# KiCad board q2.kicad_pcb (continued)
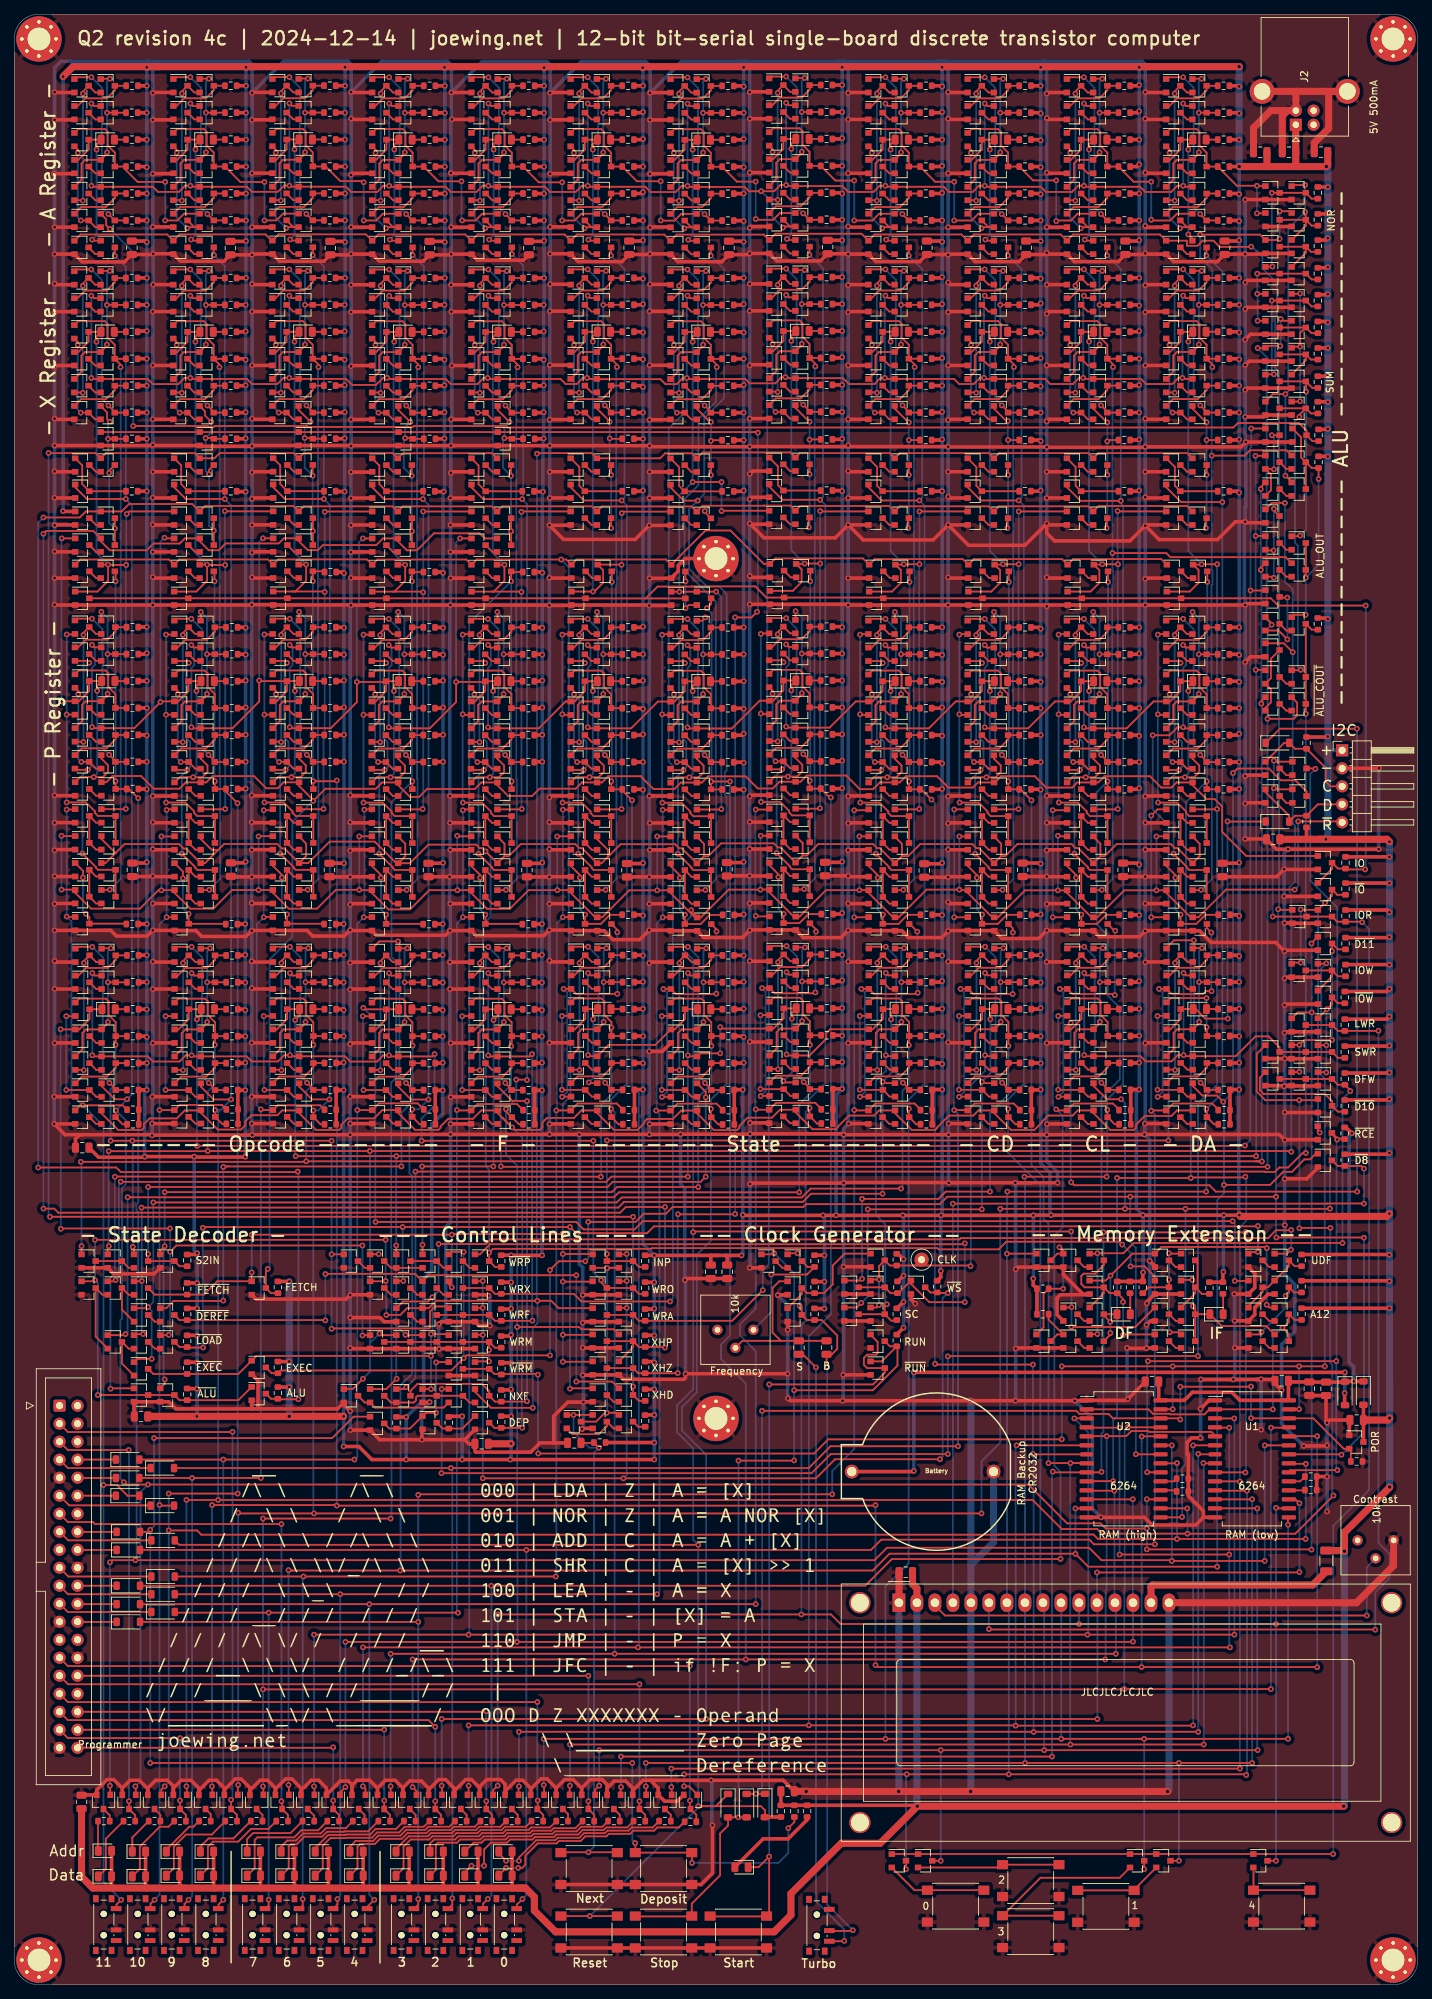
[diagram p0: board, top side]
## Routing (per net, layer and track width the routed paths; a pad name or vN(x,y) marks a point on that pad's centre or on a via; arc(x,y) is an arc through that point) (continued)
WRF: length 70.9
  Top w0.25: Q701.3 Q702.3 Q703.3 67.83,93.67 R317.2 73.08,93.67 v1(73.1,93.7) ; v1(66.87,142.72) 67.22,142.37 Q344.1 ; v1(66.87,131.12) 67.02,130.97 Q345.1 72.73,130.97 v1(73.07,131.3)
  Bottom w0.25: v1(66.87,142.72) v1(66.87,131.12) ; v1(73.1,93.7) 73.07,93.73 v1(73.07,131.3)
WRO: length 168.2
  Top w0.25: v1(11.02,142.73) 11.37,142.38 Q64.1 ; v1(11.02,131.13) 11.17,130.98 Q65.1 18.85,130.98 19.57,130.25 23.34,130.25 24.21,131.12 v1(25.02,131.12) 25.17,130.97 Q135.1 32.8,130.97 33.51,130.26 37.21,130.26 38.08,131.13 v1(38.89,131.13) 39.05,130.98 Q205.1 46.67,130.98 47.41,130.24 51.18,130.24 52.06,131.12 v1(52.87,131.12) 53.02,130.97 Q275.1 58.97,130.97 v1(59.3,131.3) ; R323.2 88.12,97.47 Q716.3 Q715.3 82.8,99.1 v1(82.8,99.4) ; v1(25.02,142.72) 25.38,142.37 Q134.1 ; v1(38.89,142.73) 39.24,142.38 Q204.1 ; v1(52.87,142.72) 53.22,142.37 Q274.1 ; 57.91,119.07 v1(57.46,119.07) ; 57.91,119.07 57.65,119.07 ; 57.91,119.07 v1(81.7,119.07)
  Bottom w0.25: v1(11.02,142.73) v1(11.02,131.13) ; v1(25.02,142.72) v1(25.02,131.12) ; v1(38.89,142.73) v1(38.89,131.13) ; v1(52.87,142.72) v1(52.87,131.12) ; v1(81.7,119.07) 81.7,100.5 v1(82.8,99.4) ; 57.45,119.82 57.45,122.2 59.3,124.05 v1(59.3,131.3) ; 57.45,119.82 57.46,119.81 v1(57.46,119.07) ; 57.45,119.82 57.45,119.27
WRX: length 483.8
  Top w0.25: v1(10.88,238.29) 11.23,237.94 Q31.1 ; v1(10.88,226.69) 11.03,226.54 Q32.1 18.84,226.54 19.56,225.81 23.15,225.81 24.03,226.69 v1(24.84,226.69) 24.99,226.54 Q102.1 32.84,226.54 33.55,225.82 37.02,225.82 ; v1(24.84,238.29) 25.19,237.94 Q101.1 ; Q690.3 Q691.3 67.83,97.47 R315.2 78.95,97.47 80.03,96.4 v1(92.52,96.4) ; Q311.1 67.24,237.93 v1(66.89,238.28) ; Q241.1 53.24,237.93 v1(52.89,238.28) ; 37.12,225.82 38,226.7 v1(38.81,226.7) 38.96,226.55 Q172.1 46.81,226.55 47.65,225.7 51.03,225.7 52.03,226.7 v1(52.6,226.7) 52.77,226.53 Q242.1 ; Q171.1 39.16,237.95 v1(38.81,238.3) ; v1(80.9,238.3) 81.25,237.95 Q952.1 ; v1(94.98,238.28) 95.33,237.93 Q884.1 ; v1(108.9,238.4) 109.25,238.05 Q401.1 ; v1(122.9,238.3) 123.25,237.95 Q469.1 ; v1(136.9,238.3) 137.25,237.95 Q806.1 ; v1(150.9,238.3) 151.25,237.95 Q537.1 ; v1(164.9,238.3) 165.25,237.95 Q605.1 ; Q606.1 164.95,226.55 v1(164.8,226.7) 164.23,226.7 163.36,225.82 159.65,225.82 158.92,226.55 Q538.1 150.95,226.55 v1(150.8,226.7) 150.23,226.7 149.36,225.82 146.15,225.82 145.42,226.55 Q807.1 136.95,226.55 v1(136.8,226.7) 136.23,226.7 135.36,225.82 133.3,225.82 132.58,226.55 123.65,226.55 ; Q242.1 53.04,226.53 ; Q242.1 60.88,226.53 61.61,225.8 65.35,225.8 66.22,226.68 v1(66.79,226.68) 66.94,226.53 Q312.1 77.08,226.53 77.79,225.82 79.36,225.82 80.23,226.7 v1(80.8,226.7) 80.95,226.55 Q953.1 82.24,226.51 91.16,226.51 91.87,225.8 93.44,225.8 94.31,226.68 v1(94.88,226.68) 95.03,226.53 Q885.1 103.14,226.53 103.75,225.92 107.36,225.92 108.23,226.8 v1(108.8,226.8) 108.95,226.65 Q402.1 116.92,226.65 117.75,225.82 121.36,225.82 122.23,226.7 v1(122.8,226.7) 122.95,226.55 123.65,226.55 ; Q470.1 123.65,226.55
  Bottom w0.25: v1(10.88,238.29) v1(10.88,226.69) ; v1(24.84,238.29) v1(24.84,226.69) ; v1(38.81,238.3) v1(38.81,226.7) ; v1(80.9,238.3) 80.8,238.2 v1(80.8,226.7) ; v1(94.98,238.28) 94.88,238.18 v1(94.88,226.68) 94.88,222.11 92.33,219.56 92.33,172.56 92.91,171.98 92.91,96.78 v1(92.52,96.4) ; v1(108.9,238.4) 108.8,238.3 v1(108.8,226.8) ; v1(122.9,238.3) 122.8,238.2 v1(122.8,226.7) ; v1(136.9,238.3) 136.8,238.2 v1(136.8,226.7) ; v1(150.9,238.3) 150.8,238.2 v1(150.8,226.7) ; v1(164.9,238.3) 164.8,238.2 v1(164.8,226.7) ; v1(66.79,226.68) 66.79,238.18 v1(66.89,238.28) ; v1(52.6,226.7) 52.6,237.99 v1(52.89,238.28)
WS: length 95.7
  Top w0.25: v1(134.1,96.3) 129.09,96.3 126.5,98.89 Q674.1 124.73,97.57 R277.2 123.62,97.57 Q631.3 Q632.3 ; v1(134.1,104.6) 133.97,104.47 67.12,104.47 65.7,103.05 Q709.1
  Bottom w0.25: v1(134.1,104.6) v1(134.1,96.3)
X0: length 137.8
  Top w0.25: v1(178.5,250.2) 179.95,250.2 Q728.1 ; v1(178.5,246.3) 178.35,246.15 Q731.1 175.75,246.9 v1(167.3,246.9) ; R260.2 Q602.3 ; Q602.3 168.2,231.37 167.2,232.37 167.2,234.3 166.8,234.7 163.05,234.7 Q607.1 ; Q602.3 169.02,228.58 v1(169.02,228.21) ; v1(167.43,154.47) 167.38,154.42 Q574.1 ; Q740.1 179.47,216.48 174.32,216.48 173.57,215.72 v1(168.93,215.72)
  Bottom w0.25: v1(178.5,246.3) v1(178.5,250.2) ; v1(167.43,154.47) 168.95,156 168.95,170.12 168.89,170.18 168.89,197.42 169.03,197.55 169.03,199.47 168.93,199.57 v1(168.93,215.72) 168.93,228.12 v1(169.02,228.21) 169.02,242.04 167.3,243.75 v1(167.3,246.9)
X1: length 115.1
  Top w0.25: R230.2 Q534.3 ; Q534.3 154.2,231.37 153.2,232.37 153.2,234.3 152.8,234.7 149.05,234.7 Q539.1 ; Q534.3 155.02,228.58 v1(155.02,228.21) ; v1(153.43,154.47) 153.38,154.42 Q506.1 ; v1(154.93,201.97) 162.53,201.97 163.1,201.4 179.35,201.4 Q743.1
  Bottom w0.25: v1(153.43,154.47) 154.95,156 154.95,170.12 154.89,170.18 154.89,197.42 155.03,197.55 155.03,199.47 154.93,199.57 v1(154.93,201.97) 154.93,228.12 v1(155.02,228.21)
XHIN_DBUS: length 283.2
  Top w0.25: R313.2 88.12,82.37 Q688.3 v1(87.3,84.4) ; 39.4,216.09 Q160.1 40.86,216.09 53.36,216.09 Q230.1 54.83,216.07 67.38,216.07 Q300.1 ; v1(87.3,108.35) v1(5.05,108.35) ; 39.3,216.09 28.99,216.09 28.25,215.35 Q90.1 25.43,216.08 12.93,216.08 Q20.1 11.47,216.08 4.87,216.08 v1(4.85,216.1)
  Bottom w0.25: v1(4.85,216.1) 4.85,108.55 v1(5.05,108.35) ; v1(87.3,84.4) v1(87.3,108.35)
XHIN_P: length 287.1
  Top w0.25: Q673.3 87.3,89.95 Q685.1 ; Q673.3 Q672.3 ; Q673.3 88.12,89.97 R306.2 91.73,89.97 v1(91.8,89.9) ; 37.32,203.33 38.04,204.06 Q158.1 40.13,203.67 41.42,202.38 42.84,202.38 43.56,203.1 51.08,203.1 52.02,204.04 Q228.1 54.11,203.66 55.4,202.37 56.82,202.37 59.22,204.77 65.66,204.77 66.38,204.04 Q298.1 ; v1(4.12,204.7) 4.52,205.1 11.15,205.1 Q18.1 12.2,203.66 13.49,202.37 18.7,202.37 19.65,203.32 23.35,203.32 24.07,204.05 Q88.1 26.16,203.66 27.45,202.37 28.87,202.37 29.83,203.33 37.22,203.33 ; v1(4.12,109.5) 5.65,109.5 6.22,108.92 85.48,108.92 86.27,109.72 v1(91.8,109.72)
  Bottom w0.25: v1(4.12,109.5) v1(4.12,204.7) ; v1(91.8,89.9) v1(91.8,109.72)
XHIN_ZERO: length 245.8
  Top w0.25: Q684.3 Q685.3 88.02,86.27 R310.2 93.58,86.27 v1(93.6,86.3) ; 68.11,219.04 54.35,219.04 ; 53.91,219.04 40.15,219.04 Q157.1 40.12,219.05 ; 54.3,219.03 54.31,219.04 ; 40.02,219.05 Q87.1 Q17.1 ; v1(93.63,108.7) 101.65,108.7 v1(101.7,108.75) ; v1(104.9,218.97) 104.83,219.04 Q297.1 ; v1(104.8,193.7) 104,192.9 v1(101.7,192.9)
  Bottom w0.25: v1(104.9,218.97) 104.9,193.8 v1(104.8,193.7) ; v1(93.63,108.7) 93.6,108.67 v1(93.6,86.3) ; v1(101.7,108.75) v1(101.7,192.9)
~{ALU_COUT}: length 235.9
  Top w0.25: v1(182.2,179.3) Q739.3 Q738.3 Q737.3 183.02,191.17 183.9,191.17 ; v1(56.6,114.72) 82.4,114.72 82.4,114.73 176.4,114.73 176.45,114.67 177.83,114.67 178.45,115.3 179.7,115.3 181.76,117.36 v1(182.2,117.36) ; Q677.1 55.05,84.05 v1(55.3,84.3)
  Bottom w0.25: v1(55.3,84.3) 56.6,85.6 v1(56.6,114.72) ; v1(182.2,179.3) v1(182.2,117.36)
~{CDIV}: length 68.9
  Top w0.25: Q815.1 135.1,134.8 136.55,136.25 Q819.3 D58.1 137.7,137.04 v1(137.7,136.2) ; v1(136.5,127.4) 136.7,127.2 Q822.1 ; Q630.1 118.85,95.55 v1(119.5,96.2) ; v1(120.4,109.4) v1(136.5,109.4)
  Bottom w0.25: v1(137.7,136.2) 137.7,128.6 v1(136.5,127.4) v1(136.5,109.4) ; v1(119.5,96.2) 120.4,97.1 v1(120.4,109.4)
~{DEP_SW}: length 189.2
  Top w0.25: v1(19.73,77.12) 44.85,77.12 47.88,80.15 Q706.1 ; R464.2 110.05,22.95 v1(109.2,22.1) ; v1(87.6,20) 87.62,19.98 SW23.1 SW23.1 95.6,18.63 v1(95.6,17.2) ; v1(87.2,31.3) v1(19.2,31.3) ; D50.2 18.9,63.9 v1(19.2,64.2)
  Bottom w0.25: v1(95.6,17.2) 107.8,17.2 109.2,18.6 v1(109.2,22.1) ; v1(87.2,31.3) 87.2,20.4 v1(87.6,20) ; v1(19.2,31.3) v1(19.2,64.2) 19.73,64.73 v1(19.73,77.12)
~{DEREF}: length 172.3
  Top w0.25: D16.1 Q276.3 ; Q276.3 52.47,136.22 51.02,134.77 Q272.1 ; Q276.3 49.46,137.62 v1(49.25,137.82) ; v1(172.18,99.3) 174.05,99.3 Q995.1 ; v1(50.97,107.62) 79.27,107.62 80.33,106.57 87.52,106.57 88.69,107.74 ; v1(171.88,107.72) 88.7,107.72
  Bottom w0.25: v1(172.18,99.3) 172.18,107.42 v1(171.88,107.72) ; v1(50.97,107.62) 50.97,107.63 50.95,107.63 50.95,136.13 v1(49.25,137.82)
~{DF0}: length 49.3
  Top w0.25: Q996.1 177.07,95.55 v1(176.68,95.95) ; v1(154.62,93.52) 153.7,94.45 Q1013.3 D96.1 ; v1(176.7,103.92) 176.52,104.1 161.85,104.1 Q1005.1 157.75,103.15 v1(154.65,100.05) 153.95,99.35 Q1012.1 ; v1(154.62,91.95) 154.62,91.72 Q1010.3
  Bottom w0.25: v1(154.65,100.05) 154.62,100.02 v1(154.62,93.52) v1(154.62,91.95) ; v1(176.68,95.95) 176.68,103.9 v1(176.7,103.92)
~{DOUT0}: length 111.8
  Top w0.25: v1(95.3,45) 95.26,44.96 7.58,44.96 J1.29 ; R452.2 96.23,23.97 Q993.3 95.32,24.88 v1(95.32,25.98)
  Bottom w0.25: v1(95.32,25.98) 95.3,26.01 v1(95.3,45)
~{DOUT1}: length 101.9
  Top w0.25: R451.2 89.02,23.97 Q992.3 v1(88.2,25.9) ; v1(88.2,42.4) 7.6,42.4 J1.31
  Bottom w0.25: v1(88.2,42.4) v1(88.2,25.9)
~{DOUT2}: length 92.9
  Top w0.25: v1(81,25.9) Q991.3 81.83,23.97 R450.2 ; J1.32 v1(81,43.6)
  Bottom w0.25: v1(81,43.6) v1(81,25.9)
~{DOUT3}: length 85.1
  Top w0.25: v1(73.85,26) 73.85,24.85 Q990.3 74.62,23.97 R449.2 ; J1.33 7.58,39.88 73.78,39.88 v1(73.8,39.9)
  Bottom w0.25: v1(73.8,39.9) 73.8,26.05 v1(73.85,26)
~{DOUT4}: length 73.5
  Top w0.25: v1(66.6,25.9) Q989.3 67.42,23.97 R448.2 ; v1(66.6,38.6) 66.52,38.52 J1.36
  Bottom w0.25: v1(66.6,38.6) v1(66.6,25.9)
~{DOUT5}: length 67.7
  Top w0.25: R447.2 60.22,23.97 Q988.3 v1(59.4,25.9) ; J1.35 7.58,37.34 58.46,37.34 v1(59.4,36.4)
  Bottom w0.25: v1(59.4,36.4) 59.4,25.71
~{DOUT6}: length 56.5
  Top w0.25: v1(52.2,26) Q987.3 53.02,23.97 53.02,23.1 ; J1.38 52.18,35.98 v1(52.2,36)
  Bottom w0.25: v1(52.2,36) v1(52.2,26)
~{DOUT7}: length 46.8
  Top w0.25: R445.2 45.83,23.97 Q986.3 v1(45,26) ; J1.40 44.94,33.44 v1(45,33.5)
  Bottom w0.25: v1(45,33.5) v1(45,26)
~{DOUT8}: length 74.2
  Top w0.25: J1.13 7.58,65.28 11.12,65.28 11.4,65 v1(37.7,65) ; v1(37.7,25.9) 37.8,25.8 Q985.3 38.62,23.97 R444.2
  Bottom w0.25: v1(37.7,25.9) v1(37.7,65)
~{DOUT9}: length 80.2
  Top w0.25: v1(30.8,78) 30.78,77.98 7.58,77.98 J1.3 ; v1(30.6,26.1) Q984.3 31.42,23.97 R443.2
  Bottom w0.25: v1(30.6,26.1) 30.8,26.3 v1(30.8,78)
~{DOUT10}: length 29.5
  Top w0.25: J1.37 7.58,34.8 23.4,34.8 v1(23.4,34.8) ; v1(23.4,26) Q983.3 24.22,23.97 R442.2
  Bottom w0.25: v1(23.4,34.8) v1(23.4,26)
~{DOUT11}: length 63
  Top w0.25: v1(16.2,25.9) Q982.3 17.08,23.92 R441.2 ; v1(16.16,75.44) 7.58,75.44 J1.5
  Bottom w0.25: v1(16.2,25.9) 16.2,75.4 v1(16.16,75.44)
~{FIELD_IN0}: length 18.6
  Top w0.25: v1(147.98,98.2) R462.2 145.2,97.47 145.2,92.75 Q1018.1 ; v1(147.45,104.04) 148,103.49 Q1015.1 147.15,103.15 Q1017.3
  Bottom w0.25: v1(147.45,104.04) 147.98,103.51 v1(147.98,98.2)
~{F}: length 50.7
  Top w0.25: Q342.1 65.02,134.77 66.47,136.22 Q346.3 D20.1 68.23,136.71 v1(67.62,136.1) ; v1(67.6,115.45) v1(57.55,115.45) ; Q711.1 v1(57.6,104.4)
  Bottom w0.25: v1(67.62,136.1) 67.62,115.47 v1(67.6,115.45) ; v1(57.6,104.4) 57.6,115.4 v1(57.55,115.45)
~{IF0}: length 22.8
  Top w0.25: Q997.3 Q1002.3 ; Q1002.3 166.6,95.42 v1(166.27,95.75) ; Q1002.3 D95.1 170.34,92.92 176.62,92.92 Q1007.1 ; v1(166.2,99.45) 164.7,99.45 Q1001.1
  Bottom w0.25: v1(166.2,99.45) 166.27,99.37 v1(166.27,95.75)
~{INCP_SW}: length 79.1
  Top w0.25: Q687.1 v1(78.9,80.4) Q682.1 ; SW22.1 77.17,18.7 v1(81,18.7) 85.03,18.7 SW22.1 ; v1(82.48,75.77) 82.48,75.8 R312.2 81.73,76.45 C16.2
  Bottom w0.25: v1(81,18.7) 81.8,19.5 81.8,75.1 v1(82.48,75.77) 81.12,75.77 78.9,78 v1(78.9,80.4)
~{IO_WR}: length 17.3
  Top w0.25: v1(185.1,128.7) 185.05,128.75 Q652.1 ; v1(185.1,132.55) Q646.1 ; Q640.1 v1(185.18,137.62) 185.9,138.35 Q649.3 186.73,138.47 R294.2
  Bottom w0.25: v1(185.18,137.62) 185.1,137.55 v1(185.1,132.55) v1(185.1,128.7)
~{IO}: length 51.1
  Top w0.25: v1(184.15,120.23) 183.88,120.49 Q636.1 ; v1(181.48,144.2) 180.35,144.2 Q647.1 ; R288.2 186.62,153.77 Q638.3 185.9,153.65 v1(184.9,152.65) Q642.1 181.52,151.65 v1(181.48,151.7)
  Bottom w0.25: v1(181.48,151.7) v1(181.48,144.2) ; v1(184.9,152.65) 183.92,151.67 183.92,120.45 v1(184.15,120.23)
~{O0}: length 307
  Top w0.25: Q202.1 37.04,134.78 38.49,136.24 Q206.3 D12.1 40.26,136.71 v1(39.64,136.1) ; Q748.1 176.45,215.7 v1(175.1,215.7) ; 174.7,116.9 v1(53.9,116.9) v1(39.7,116.9) ; 174.7,116.9 v1(175.2,116.9) ; 174.7,116.9 175.1,116.9 ; v1(175.12,185.5) 176.45,185.5 Q746.1 ; Q680.1 52.5,84.05 v1(53.95,85.5) ; Q712.1 v1(53.9,104.3) ; Q694.1 55.25,91.65 v1(55.2,91.7) ; Q750.1 176.45,204.4 v1(175.12,204.4)
  Bottom w0.25: v1(175.1,215.7) 175.12,215.67 v1(175.12,204.4) v1(175.12,185.5) 175.2,185.42 v1(175.2,116.9) ; 53.9,93 v1(53.9,104.3) v1(53.9,116.9) ; 53.9,93 53.9,85.55 v1(53.95,85.5) ; 53.9,93 v1(55.2,91.7) ; v1(39.64,136.1) 39.64,116.96 v1(39.7,116.9)
~{O1}: length 278.8
  Top w0.25: Q132.1 23.17,134.77 24.62,136.23 Q136.3 D8.1 26.39,136.81 v1(25.77,136.2) ; Q752.1 176.45,196.7 v1(174.4,196.7) ; Q754.1 v1(174.5,219.55) ; v1(173.6,118.4) 173.5,118.4 173.45,118.35 v1(25.8,118.35)
  Bottom w0.25: v1(25.77,136.2) 25.77,118.38 v1(25.8,118.35) ; v1(173.6,118.4) 174.38,119.18 174.38,196.68 v1(174.4,196.7) 174.4,214.85 174.31,214.94 174.31,216.74 174.5,216.93 v1(174.5,219.55)
~{O2}: length 109
  Top w0.25: D4.1 Q66.3 10.62,136.23 9.17,134.78 Q62.1 6.57,134.78 v1(6.55,134.8) ; v1(21.98,106.7) 6.63,106.7 v1(6.58,106.65) ; Q655.1 21.75,91.65 v1(21.8,91.7) ; v1(49.12,104.3) 22.88,104.3 v1(22,103.42) ; v1(49.12,91.6) 49.17,91.65 Q692.1
  Bottom w0.25: v1(6.55,134.8) 6.55,120.41 6.58,120.38 v1(6.58,106.65) ; v1(49.12,91.6) v1(49.12,104.3) ; v1(21.8,91.7) 22,91.9 v1(22,103.42) 22,106.68 v1(21.98,106.7)
~{POR}: length 153.1
  Top w0.25: v1(164.5,84.37) 174.45,84.37 v1(174.48,84.4) ; v1(174.48,79.94) 174.5,79.91 183.26,79.91 187.55,75.62 188.32,75.62 188.55,75.4 R286.2 ; v1(164.5,79.75) 164.33,79.91 154.99,79.91 154.36,80.54 150.27,80.54 149.83,80.97 v1(105.5,80.97) ; D93.1 103.35,26.95 v1(104.65,26.95) D94.1
  Bottom w0.25: v1(104.65,26.95) 105.5,27.8 v1(105.5,80.97) ; v1(164.5,79.75) v1(164.5,84.37) ; v1(174.48,84.4) v1(174.48,79.94)
~{RST}: length 670.8
  Top w0.25: Q858.1 v1(90.7,162) ; Q836.1 96.04,150.58 92.61,154.02 Q856.1 90.7,154.4 v1(90.7,154.4) 86.75,154.4 82.95,150.6 Q904.1 81.96,150.6 78.53,154.04 Q924.1 v1(76.62,154.42) 72.55,154.42 69.93,151.8 66.71,151.8 64.47,154.04 Q324.1 v1(62.52,154.42) 58.55,154.42 55.84,151.71 52.8,151.71 50.47,154.04 Q254.1 48.73,154.42 v1(48.68,154.48) 45.38,154.48 42.71,151.81 38.73,151.81 36.49,154.05 Q184.1 30.72,154.44 28.08,151.8 24.86,151.8 22.62,154.04 Q114.1 20.8,154.43 v1(20.77,154.4) 20.33,154.4 17.75,151.82 10.84,151.82 8.6,154.06 Q44.1 8.55,154.5 v1(6.67,154.5) ; Q836.1 95.5,151.41 v1(95.5,151.6) ; Q836.1 96.87,150.58 100.79,154.5 v1(105.28,154.5) 105.3,154.52 Q373.1 106.53,154.14 109.96,150.7 Q353.1 110.79,150.7 114.51,154.42 Q441.1 120.53,154.04 123.96,150.6 Q421.1 124.79,150.6 128.69,154.5 v1(133.32,154.5) 133.4,154.42 Q778.1 134.53,154.04 137.96,150.6 Q758.1 138.79,150.6 142.59,154.4 v1(147.23,154.4) 148.5,154.4 Q509.1 148.53,154.04 151.96,150.6 Q489.1 152.79,150.6 156.59,154.4 v1(161.12,154.4) 162.5,154.4 Q577.1 162.53,154.04 165.96,150.6 Q557.1 167.05,150.6 170.95,154.5 v1(180.62,154.5) ; 106.5,162.09 Q375.1 106.5,162.1 v1(105.3,162.1) ; 134.5,161.99 Q780.1 134.5,162 v1(133.32,162) ; v1(149.1,106.27) 95.87,106.27 v1(95.77,106.17) ; v1(147.23,162.1) 147.3,162.02 Q511.1 ; D40.1 98.98,25.2 v1(96.5,25.2) 105.33,25.2 105.9,24.62 D94.2 ; v1(6.67,162.1) 6.72,162.05 Q46.1 ; v1(48.68,162) 48.7,162.02 Q256.1 ; 85.08,9.65 85.03,9.7 v1(81.2,9.7) 77.17,9.7 77.12,9.65 ; Q116.1 22.59,162 v1(20.77,162) ; v1(161.12,162) 161.15,162.02 Q579.1 ; J3.5 187.19,164.12 v1(181.12,164.12) ; Q186.1 34.52,162.04 v1(34.47,162) ; v1(119.23,162) 119.25,162.02 Q443.1 ; v1(149.15,95.6) 149.1,95.55 Q1016.1 ; Q926.1 76.62,162.02 v1(76.6,162) ; v1(149.12,92.8) 158.15,92.8 Q1006.1 ; D49.2 23.27,62.07 v1(96.5,62.07) ; v1(62.5,162.1) 62.58,162.02 Q326.1
  Top w0.5: 108,23.67 105.92,23.67 D94.2
  Bottom w0.25: v1(181.12,164.12) 181.12,155 v1(180.62,154.5) ; v1(81.2,9.7) 96.5,25 v1(96.5,25.2) v1(96.5,62.07) 95.77,62.8 95.77,75.67 93.5,77.95 93.5,81.75 95.77,84.03 v1(95.77,106.17) 95.77,144.61 94.3,146.08 94.3,149.58 95.5,150.77 v1(95.5,151.6) ; v1(133.32,154.5) v1(133.32,162) ; v1(105.28,154.5) 105.28,162.08 v1(105.3,162.1) ; v1(48.68,162) v1(48.68,154.48) ; v1(76.6,162) 76.6,154.44 v1(76.62,154.42) ; v1(6.67,162.1) v1(6.67,154.5) ; v1(149.12,92.8) 149.15,92.82 v1(149.15,95.6) 149.15,106.22 v1(149.1,106.27) ; v1(62.52,154.42) 62.5,154.44 v1(62.5,162.1) ; v1(161.12,162) v1(161.12,154.4) ; v1(20.77,154.4) v1(20.77,162) ; v1(34.47,162) v1(34.47,154.44) ; v1(90.7,154.4) 90.7,162 v1(90.7,162) ; v1(147.23,162.1) v1(147.23,154.4) ; v1(119.23,162) v1(119.23,154.42)
~{S0}: length 186.9
  Top w0.25: v1(108.95,142.85) 109.3,142.5 Q412.1 ; v1(108.95,131.25) 109.1,131.1 Q413.1 112.19,131.1 114.55,133.46 114.55,134.24 115.11,134.8 Q478.1 121.1,134.8 122.55,136.25 Q482.3 D28.1 123.7,137.04 v1(123.7,136.2) ; v1(122.5,127.4) 122.7,127.2 Q485.1 ; v1(18,99.3) 17.95,99.25 Q657.1 ; v1(122.5,111.6) 112.4,111.6 111.25,110.45 86.02,110.45 85.23,109.65 v1(17.95,109.65) ; Q659.1 17.05,91.8 v1(18.2,91.8)
  Bottom w0.25: v1(108.95,142.85) v1(108.95,131.25) ; v1(123.7,136.2) 123.7,128.6 v1(122.5,127.4) v1(122.5,111.6) ; v1(18.2,91.8) 18,92 v1(18,99.3) 18,109.6 v1(17.95,109.65)
~{S1}: length 160
  Top w0.25: v1(95.03,142.73) 95.38,142.38 Q895.1 ; v1(95.03,131.13) 95.18,130.98 Q896.1 96.75,131.4 v1(99.6,131.4) ; v1(109.7,136.3) 109.7,137.14 D24.1 Q414.3 108.55,136.35 107.1,134.9 Q410.1 99.8,134.9 v1(99.6,135.1) ; Q417.1 108.7,127.3 v1(108.5,127.5) ; Q661.1 14.15,99.25 v1(14.3,99.4) ; v1(15.02,113.3) 15.05,113.27 83.5,113.27 84.23,114 v1(95.03,114)
  Bottom w0.25: v1(95.03,142.73) v1(95.03,131.13) v1(95.03,114) ; v1(99.6,135.1) v1(99.6,131.4) ; v1(109.7,136.3) 109.7,128.7 v1(108.5,127.5) ; v1(15.02,113.3) 14.76,113.04 14.76,99.86 v1(14.3,99.4)
~{S2}: length 32.1
  Top w0.25: v1(80.95,142.75) 81.3,142.4 Q963.1 ; v1(80.95,131.15) 81.1,131 Q964.1 83.85,132.6 90.45,132.6 Q893.1 93.18,134.78 94.63,136.23 Q897.3 D64.1
  Bottom w0.25: v1(80.95,142.75) v1(80.95,131.15)
~{S3}: length 17.9
  Top w0.25: Q961.1 79.1,134.8 80.55,136.25 Q965.3 D68.1 81.67,137.01 v1(81.67,136.2) ; v1(81.05,127.3) 81.15,127.2 Q968.1
  Bottom w0.25: v1(81.05,127.3) 81.67,127.92 v1(81.67,136.2)
~{START}: length 113.7
  Top w0.25: SW19.1 106.5,10.07 v1(106.5,18.1) 105,16.6 D37.1 ; 98.52,9.65 106.48,9.65 ; v1(106.52,84.7) 121.15,84.7 122.8,86.35 Q634.3 120.31,87 119.86,87.46 119.86,88.44 120.31,88.9 121.6,88.9 121.8,89.1 121.8,90.7 120.8,91.7 Q633.1
  Bottom w0.25: v1(106.5,18.1) 106.5,84.67 v1(106.52,84.7)
~{STATE_ALU}: length 371.9
  Top w0.25: Q668.1 31.62,82.47 R304.2 23.33,82.47 Q666.3 Q667.3 v1(11.8,83.2) ; v1(52.4,105.1) v1(11.4,105.1) ; v1(52.4,99.3) 52.35,99.25 Q704.1 ; v1(11.4,99.4) 11.25,99.25 Q663.1 ; Q595.1 165.47,216.08 152.93,216.08 Q527.1 151.47,216.08 138.93,216.08 Q796.1 137.47,216.08 124.93,216.08 Q459.1 123.47,216.08 110.83,216.08 Q391.1 109.47,216.18 97.13,216.18 Q874.1 95.55,216.06 91.83,216.06 91.12,215.35 Q942.1 81.47,216.08 73.82,216.08 v1(73.75,216) ; v1(73.15,81.4) 67.26,81.4 65,83.66 Q678.1 ; v1(52.5,94.5) 54.46,94.5 55.41,95.45 Q701.1 58.48,95.45 59.53,96.5 v1(73.8,96.5) 75.75,96.5 76.8,95.45 Q713.1
  Bottom w0.25: v1(52.4,105.1) v1(52.4,99.3) 52.5,99.2 v1(52.5,94.5) ; v1(73.15,81.4) 73.15,92.68 73.83,93.35 73.83,96.47 v1(73.8,96.5) 73.72,96.58 73.72,130.88 73.79,130.95 73.79,130.95 73.79,131.65 73.72,131.72 73.72,166.9 73.75,166.93 v1(73.75,216) ; v1(11.8,83.2) 11.8,99 v1(11.4,99.4) v1(11.4,105.1)
~{STATE_DEREF}: length 85.8
  Top w0.25: Q654.3 23.33,93.77 R298.2 43.85,93.77 v1(43.9,93.72) ; Q688.1 84.35,85.1 v1(79.3,85.1) ; v1(43.9,100.27) 43.92,100.3 56.55,100.3 Q699.1 58.45,100.1 v1(79.3,100.1)
  Bottom w0.25: v1(43.9,93.72) v1(43.9,100.27) ; v1(79.3,85.1) v1(79.3,100.1)
~{STATE_EXEC}: length 198.1
  Top w0.25: Q660.3 19.62,86.17 R300.2 31.62,86.17 Q664.1 34.18,88.73 58.77,88.73 v1(58.8,88.7) ; v1(180.1,103.7) 179.55,103.15 Q994.1 ; Q679.1 v1(58.8,84.05) ; v1(180.14,106.49) 180.09,106.44 177.99,106.44 176.89,105.34 133.53,105.34 133.35,105.16 67.17,105.16 66.51,104.5 v1(59.87,104.5) ; Q695.1 61.15,91.8 v1(58.8,91.8) ; Q705.1 54.85,96.4 58.4,96.4 v1(59,97)
  Bottom w0.25: v1(59.87,104.5) 59.87,97.87 v1(59,97) 59,92 v1(58.8,91.8) v1(58.8,88.7) v1(58.8,84.05) ; v1(180.14,106.49) 180.14,103.74 v1(180.1,103.7)
~{STATE_FETCH}: length 370.4
  Top w0.25: Q657.3 19.83,97.37 R297.2 26.77,97.37 28.65,99.25 Q656.1 v1(33.5,100.5) ; 35.81,201.08 Q161.1 37.26,201.09 49.76,201.09 Q231.1 51.23,201.07 63.78,201.07 Q301.1 65.23,201.07 v1(77.17,201.07) 77.88,201.07 Q943.1 79.33,201.08 91.93,201.08 Q875.1 97.51,205.16 101.04,205.16 105.75,200.45 Q392.1 107.38,201.23 119.72,201.23 Q460.1 121.38,201.13 133.82,201.13 Q797.1 135.38,201.13 147.82,201.13 Q528.1 149.38,201.13 161.82,201.13 Q596.1 ; v1(77.4,87.9) 81.55,87.9 Q684.1 ; Q675.1 81.55,103.1 v1(77.4,103.1) ; v1(77.4,91.7) 81.55,91.7 Q672.1 ; v1(77.4,99.2) 81.55,99.2 Q715.1 ; Q21.1 9.33,201.08 21.83,201.08 Q91.1 23.29,201.08 35.71,201.08 ; v1(77.4,106) 77.33,105.92 62.08,105.92 61.97,105.82 v1(33.5,105.82) ; v1(61.72,98.4) 61.3,98.82 Q690.1
  Bottom w0.25: v1(33.5,100.5) v1(33.5,105.82) ; v1(61.72,105.82) 61.72,99.42 ; 61.72,99.42 v1(61.72,98.4) ; 61.72,99.42 61.72,98.88 ; v1(77.4,87.9) v1(77.4,91.7) v1(77.4,99.2) v1(77.4,103.1) v1(77.4,106) 77.4,124.3 78.45,125.35 78.45,140.19 78.23,140.41 78.23,200.01 v1(77.17,201.07)
~{STATE_LOAD}: length 210.8
  Top w0.25: Q655.3 23.33,89.97 R299.2 24.47,89.9 v1(26.65,89.9) ; Q700.1 53.95,99.3 v1(54.9,99.3) ; v1(26.6,106.8) 26.7,106.9 v1(54.8,106.9) v1(78.4,106.9) 79.27,106.03 89.27,106.03 90.25,107 175.4,107 v1(175.45,107.05) ; Q999.1 174.32,103.37 v1(175.43,103.37) ; Q689.1 78.45,84.15 v1(78.4,84.1)
  Bottom w0.25: v1(175.43,103.37) 175.45,103.4 v1(175.45,107.05) ; v1(26.6,106.8) 26.6,89.95 v1(26.65,89.9) ; v1(54.8,106.9) 54.8,99.4 v1(54.9,99.3) ; v1(78.4,84.1) v1(78.4,106.9)
~{STOP}: length 162.2
  Top w0.25: Q633.3 123.52,90.07 R278.2 ; 95.58,9.65 87.62,9.65 ; SW20.1 95.58,11.44 99.58,15.44 99.58,21.35 100.7,22.47 D40.2 v1(102.17,23.62) D93.2 ; v1(107.2,103.2) 107.05,103.05 Q628.1 ; v1(110.02,83.87) 121.11,83.87 124.6,87.36 124.6,89.97 R278.2 ; R278.2 122.37,87.95 Q634.1 ; v1(110.02,73.97) 110,73.95 v1(102.17,73.95)
  Bottom w0.25: 110.02,77.92 110.02,100.38 v1(107.2,103.2) ; 110.02,77.92 v1(110.02,73.97) ; 110.02,77.92 v1(110.02,83.87) 110.02,97.68 ; v1(102.17,23.62) v1(102.17,73.95)
~{SW0}: length 313.2
  Top w0.25: 162.5,150.59 Q581.1 162.5,150.6 v1(160.4,150.6) ; 169.93,123.4 169,124.33 163.48,124.33 Q556.1 160.45,123.35 v1(160.4,123.3) ; D51.2 v1(72.25,61.35) 120.86,61.35 122.31,62.8 151.67,62.8 151.86,62.61 151.86,62.6 152.31,62.15 v1(160.91,62.15) ; v1(71.7,12.1) 70.93,11.33 70.93,10.75 ; v1(160.4,164.95) 161.27,165.82 Q580.1
  Bottom w0.25: v1(160.91,62.15) 160.9,62.16 160.9,122.8 v1(160.4,123.3) v1(160.4,150.6) v1(160.4,164.95) ; v1(71.7,12.1) 72.25,12.65 v1(72.25,61.35)
~{SW1}: length 298.8
  Top w0.25: 148.48,165.77 Q512.1 ; Q512.1 148.39,165.68 ; Q512.1 148.49,165.78 ; Q512.1 148.4,165.7 v1(146.5,165.7) ; 148.5,150.59 Q513.1 148.5,150.6 v1(146.5,150.6) ; 155.93,123.4 155,124.33 149.48,124.33 Q488.1 147.15,123.35 v1(147,123.5) ; v1(147.6,60.09) 147.57,60.06 123.8,60.06 120.04,56.3 v1(67.3,56.3) D52.2 ; 66.13,10.75 66.13,11.43 v1(66.8,12.1)
  Bottom w0.25: v1(67.3,56.3) 67.33,56.27 67.33,12.63 v1(66.8,12.1) ; v1(147.6,60.09) 147.6,72.37 146.73,73.25 146.73,105.67 147.9,106.85 147.9,122.6 v1(147,123.5) 146.5,124 v1(146.5,150.6) v1(146.5,165.7)
~{SW2}: length 278.5
  Top w0.25: 134.5,150.59 Q782.1 134.5,150.6 v1(132.6,150.6) ; 141.93,123.4 141,124.33 135.48,124.33 Q757.1 134.45,123.4 v1(132.6,123.4) ; v1(133.14,75.98) 115.2,75.98 115.17,76 112.08,72.9 v1(61.6,72.9) D45.2 ; Q781.1 132.62,165.82 v1(132.6,165.8) ; v1(61.8,12.2) 61.8,11.32 61.23,10.75
  Bottom w0.25: v1(132.6,165.8) v1(132.6,150.6) 132.55,150.55 132.55,123.45 v1(132.6,123.4) 133.14,122.85 v1(133.14,75.98) ; v1(61.8,12.2) 61.8,72.7 v1(61.6,72.9)
~{SW3}: length 268.8
  Top w0.25: 120.48,165.77 Q444.1 ; Q444.1 120.39,165.68 ; Q444.1 120.49,165.78 ; Q444.1 120.4,165.7 v1(118.5,165.7) ; 120.5,150.59 Q445.1 120.5,150.6 v1(118.5,150.6) ; 127.92,123.4 127,124.33 121.48,124.33 Q420.1 118.55,123.35 v1(118.5,123.4) ; 56.43,10.75 57,11.32 v1(57,12.1) ; v1(57,69.12) 57.08,69.2 v1(115.4,69.2) ; D46.2 v1(57,51.2)
  Bottom w0.25: v1(57,69.12) v1(57,51.2) v1(57,12.1) ; v1(118.5,165.7) v1(118.5,150.6) v1(118.5,123.4) 118.5,75.6 115.4,72.5 v1(115.4,69.2)
~{SW4}: length 258.8
  Top w0.25: 106.48,165.87 Q376.1 ; Q376.1 106.39,165.78 ; Q376.1 106.49,165.88 ; Q376.1 106.4,165.8 v1(104.6,165.8) ; 113.92,123.5 113,124.43 107.48,124.43 Q352.1 104.65,123.45 v1(104.6,123.5) ; v1(104.6,150.8) 104.68,150.72 Q377.1 ; v1(104.6,53.7) v1(50.1,53.7) D47.2 ; 49.83,10.75 49.83,11.03 v1(50.8,12)
  Bottom w0.25: v1(104.6,53.7) 104.6,89.4 102.4,91.6 102.4,93.2 104.6,95.4 v1(104.6,123.5) 104.55,123.55 104.55,165.75 v1(104.6,165.8) ; v1(50.1,53.7) 50.1,12.7 v1(50.8,12)